# Altium PCB HealthSensors.PcbDoc (continued)
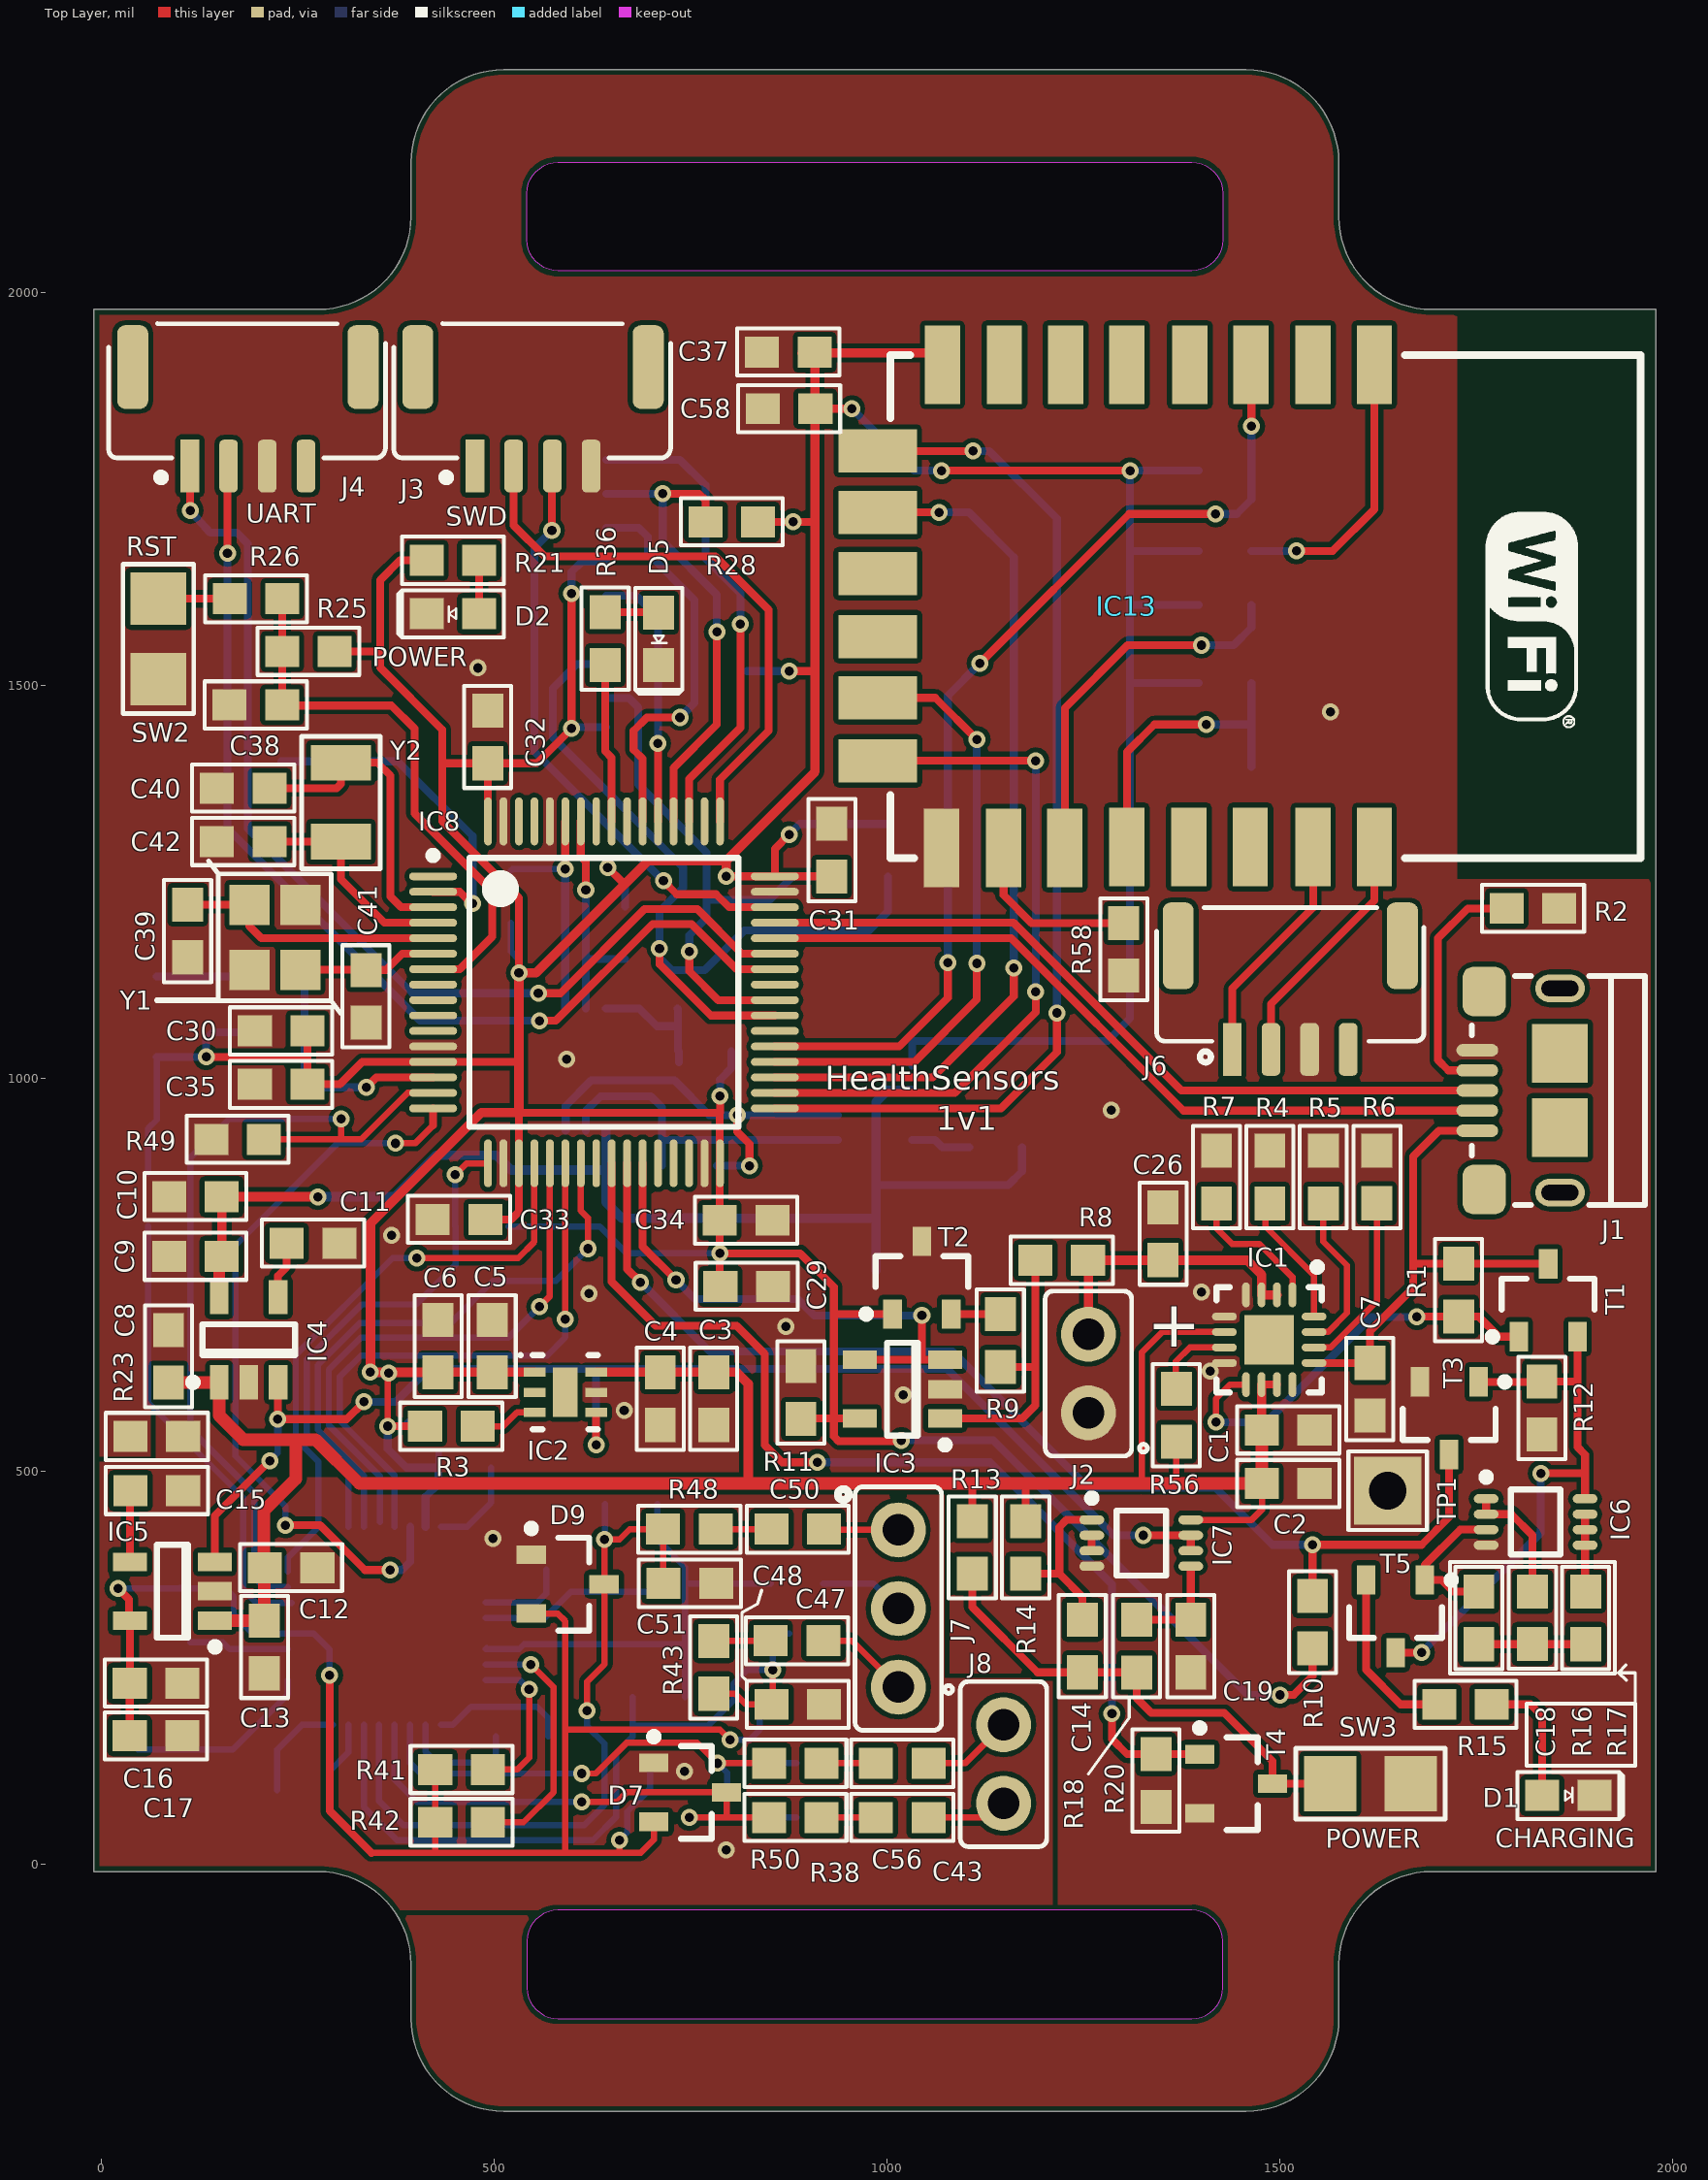
[diagram p0: Top Layer view]
## Footprints (in the part's own frame and the unit in brackets; to place one, negate y for a bottom-side part, rotate by r counter-clockwise, add the part's x,y. Pads: shape width x height; smd on the part's side, far side on the other; paste and mask are expansions set on the pad) (continued)
  oval 0.3x1.4 smd: 9(-1.75,-3.2) 10(-1.25,-3.2) 11(-0.75,-3.2) 12(-0.25,-3.2) 13(0.25,-3.2) 14(0.75,-3.2) 15(1.25,-3.2) 16(1.75,-3.2) 25(1.75,3.2) 26(1.25,3.2) 27(0.75,3.2) 28(0.25,3.2) 29(-0.25,3.2) 30(-0.75,3.2) 31(-1.25,3.2) 32(-1.75,3.2)
  silkscreen extent -3.32,-2.1 2.1,2.58, body extent -2.5,-2.5 2.5,2.5, height 1.2
TSSOP8 [mm] "TSSOP, 8-Leads, Body 2.00x2.30mm, Pitch 0.50mm, IPC Medium Density"
  oval 0.8x0.3 smd: 1(-1.6,0.75) 2(-1.6,0.25) 3(-1.6,-0.25) 4(-1.6,-0.75) 5(1.6,-0.75) 6(1.6,-0.25) 7(1.6,0.25) 8(1.6,0.75)
  silkscreen extent -1.72,-1.05 0.8,1.57, body extent -1.2,-1.05 1.2,1.05, height 0.9
"WSON 6" [mm] "SON, 6-Leads, Body 2.00x2.00mm, Pitch 0.65mm, Thermal Pad 1.60x0.89mm, IPC Medium Density"
  rect 0.7x0.3 smd: 1(-0.995,0.65) 2(-0.995,0) 3(-0.995,-0.65) 4(0.995,-0.65) 5(0.995,0) 6(0.995,0.65)
  rect 0.8x1.6 smd: 7(0,0)
  silkscreen extent -1.5,-1.2 1.05,1.25, body extent -1.05,-1.05 1.05,1.05, height 0.8

## Part data
C1 C2 C3 C4 C5 C6 C7 C8 C9 C10 C11 C12 C13 C14 C15 C16 C17 C18 C19 C20 C21 C22 C23 C24 C25 C26 C27 C28 C29 C30 C31 C32 C33 C34 C35 C36 C37 C38 C39 C40 C41 C42 C43 C44 C45 C46 C47 C48 C49 C50 C51 C52 C53 C54 C55 C56 C57 C58 C59: library part Capacitor, "SMT Capacitor"
D1 D2 D5: library part LED, "Chip LED"
D7 D8 D9 D10: "Schottky barrier diodes"
IC1: library part "TI BQ24232", "USB Friendly 0.5A Li+ Charger w/ Dynamic Power Management"
IC2: library part "TI LP5912-3.3V", "50 mA, 3 V TO 50 V, MICROPOWER, LOW-DROPOUT LINEAR REGULATOR"
IC3: "Op amp"
IC4: library part "TI TPS799", "TPS799 200-mA, Low-Quiescent Current, Ultralow Noise, High-PSRR Low-Dropout Linear  Regulator"
IC5: library part "TI TPS79133DBVREP", "ULTRALOW NOISE, HIGH PSRR, FAST RF, 100-mA  LOW-DROPOUT LINEAR REGULATORS"
IC6 IC7: "Dual 2-Input NAND Gate With Schmitt-Trigger Inputs"
IC8: "STM32 ARM-based 32-bit MCU with 32 Kbytes Flash, 64-pin LQFP", Package=LQFP64, ComponentLink1Description=http://www.st.com/content/ccc/resource/technical/document/datasheet/ee/d5/84/2b/a9/ae/44/3d/DM00039232.pdf/files/DM00039232.pdf/jcr:content/translations/en.DM00039232.pdf, ComponentLink1URL=http://www.st.com/stonline/products/literature/ds/13586.pdf
IC9: "Pulse Oximeter and Heart-Rate Sensor"
IC10: library part ADS1292IRSMT, "ADS1292IRSMT Analog Front End - AFE Cmplt Lw Pwr Intgrtd AFE for ECG apps", Manufacture="Texas Instruments", Operating Supply Curren="750 uA", Operating Supply Voltage="1.7 V to 3.6 V, 2.7 V to 5.25 V", Package/Cas=VQFN-32, Supply Voltage - Min - Max="2.7V - 5.25V", DatasheetURL=http://www.ti.com/lit/ds/symlink/ads1292.pdf, Product Category="Analog Front End - AFE", Series=ADS1292, SNR - Signal to Noise Ratio="107 dB", StoreURL=http://pl.mouser.com/Search/ProductDetail.aspx?R=ADS1292IRSMTvirtualkey59500000virtualkey595-ADS1292IRSMT
IC11: "Dual Bidirectional I2C Bus and SMBus Voltage-Level Translator"
IC13: library part ESP-12E, "Wifi module, esp12-e, based on ESP8266 chip"
J1: library part "USB 2.0 Type B Micro", "Micro usb"
J2: "2 pin header, male"
J3 J4: "Zlacze GH, meskie, poziome, 4 piny, SMD"
J5: library part "Hirose DM3 MicroSD", "Micro sd card slot"
J6: "Zlacze GH, meskie, proste, 4 piny, SMD"
J7: "3 pin header, male"
J8: library part "2 Pin", "2 pin header, male"
R1 R2 R3 R4 R5 R6 R7 R8 R9 R10 R11 R12 R13 R14 R15 R16 R17 R18 R19 R20 R21 R22 R23 R24 R25 R26 R27 R28 R29 R30 R31 R32 R33 R34 R35 R36 R37 R38 R39 R40 R41 R42 R43 R44 R45 R46 R47 R48 R49 R50 R51 R52 R53 R54 R56 R57 R58: library part Resistor, "SMDResistor"
SW1 SW2 SW3: library part "BUTTON-NO 2 PIN Small", "Button, SMD, Small, 2.5x3mm"
T1: library part P-MOSFET, "Unipolar transistor P-MOSFET"
T2 T3 T4 T5: library part N-MOSFET, "Unipolar transistor N-MOSFET"
Y1: library part "Resonator (4pin)", "Resonator"
Y2: library part Resonator, "Resonator"

## Via types
v1: diameter 21.65, hole 11.81, Top Layer to Bottom Layer, 105 vias

## Nets (pads, with @x,y where several pads share a name; then routed paths per layer and width w, separated by ;. In a path a pad name is that pad's centre, name@x,y a point inside that pad or via, vN(x,y) a via of type N, cw(c..) or ccw(c..) an arc to the next point about the centre after c; other vN are vias at no path point)
AGND: C12.1 C13.1 C15.1 C16.1 C17.1 C20.1 C21.1 C46.1 C48.1 C51.1 C52.1 C53.1 C54.1 C55.1 C57.1 D7.1 D8.1 D9.1 D10.1 IC5.2 IC10.10 IC10.13 R23.1
  other v1: 795,18 742,118 498,414
AVCC: C16.2 C17.2 C20.2 C21.2 D7.2 D8.2 D9.2 D10.2 IC5.5 IC10.12 R41.2 R42.2 | length 2043.6
  Top Layer w8: 343.3,14 424.53,14 ; R41.2 R42.2 424.53,14 ; D9.2 580.4,318.6 590.17,308.83 590.17,171 ; v1(659,30) 659,14 ; D7.2 702.74,30.74 686,14 659,14 ; v1(800,158) 787,171 590.17,171 ; 424.53,14 589.35,14 ; 589.35,14 659,14 ; 589.35,14 590.17,14.83 590.17,171
  Top Layer w10: v1(20.77,350.77) 34.87,336.68 IC5.5@34.87,309.6 ; C17.2 C16.2 35.87,230.34 IC5.5 ; v1(290,240) 290,67.3 343.3,14
  Bottom Layer w8: v1(20.77,350.77) C21.2 100.13,350.77 ; 99.9,351 100.13,350.77 ; v1(290,240) 290,273 269.84,293.16 IC10.12 191.84,293.16 168,317 168,340 157.23,350.77 C20.2 100.13,350.77 ; v1(659,30) 669.04,40.04 669.04,66.55 697.74,95.25 D10.2@697.74,125.4 ; v1(800,158) 825,158 837.6,170.6 D8.2
BAT_CHG: IC8.26 R10.1 T3.3 | length 1485.5
  Top Layer w10: IC8.26 668.83,757.17 v1(685.8,740.2) ; R10.1 v1(1541.3,406.15) 1680.15,406.15 1715.3,441.3 T3.3
  Bottom Layer w10: v1(685.8,740.2) 774,652 1083,652 1256,479 1417.45,479 1490.3,406.15 v1(1541.3,406.15)
BAT_LVL: IC3.3 IC3.4 IC8.27 | length 662.5
  Top Layer w10: IC8.27 688.51,785.64 v1(731,743.15) ; IC3.4 1044,641.55 ; v1(1044,698) 1044,641.55 ; IC3.3 1044,641.55
  Bottom Layer w10: v1(731,743.15) 755.15,719 886,719 907,698 v1(1044,698)
DVCC: C9.2 C10.2 C27.2 C28.2 IC4.5 IC9.11 IC11.2 R51.2 R52.2 R53.2 | length 1595.7
  Top Layer w10: C9.2@149.6,769.98 C9.2 ; C10.2@152.77,849 C10.2
  Top Layer w12: C9.2 152.77,849 v1(275,849)
  Top Layer w15: IC4.5 C9.2@149.6,769.98
  Bottom Layer w10: R53.2 R53.2@713.47,822 ; C28.2@985.06,821.53 C28.2 ; 985.53,864 1154,864 1171.47,881.47 R51.2
  Bottom Layer w12: v1(275,849) 373,849 426,902 502,902 521,883 641,883 ; IC11.2 641.8,842.2 662.47,821.53 R53.2 ; R53.2@713.47,822 R52.2@797.3,822 ; R52.2 C28.2@985.06,821.53 ; C27.2 C28.2 985.53,864 985.53,969.53 1000.25,984.25 IC9.11
GND: C1.1 C2.1 C3.1 C4.1 C5.1 C6.1 C7.1 C8.1 C9.1 C10.1 C11.1 C19.1 C22.1 C23.1 C24.1 C25.1 C26.1 C27.1 C28.1 C29.1 C30.1 C31.1 C32.1 C33.1 C34.1 C35.1 C37.1 C38.1 C39.1 C40.1 C41.1 C42.1 C58.1 C59.1 D1.2 D2.2 D5.2 IC1.4 IC1.5 IC1.8 IC2.5 IC3.2 IC4.2 IC6.4 IC7.4 IC8.12 IC8.18 IC8.31 IC8.47 IC8.60 IC8.63 IC9.4 IC9.12 IC10.24 IC11.1 IC13.15 J1.5 J2.1 J3.4 J4.3 J5.6 J5.S J6.3 R2.1 R4.1 R5.1 R6.1 R7.1 R11.1 R12.1 R19.1 R20.1 R23.2 R27.1 R49.1 R58.1 SW2.2 SW3.2 T2.3 T3.2 T4.2 TP1.1 Y1.2 Y1.4 | length 121
  Bottom Layer w8: IC10.24 464.98,428.98 495.59,459.59 C22.1
  other v1: 665,577 1020,597 1411,627 871,684 620,726 1400,728 369,800 1285,959 592,1024 1564,1466 479,1522
NetC1_2: C1.2 C2.2 C3.2 C4.2 C8.2 C12.2 C13.2 IC1.6 IC1.10 IC1.11 IC2.6 IC4.1 IC5.1 IC7.8 R13.2 R14.2 R56.2 | length 2817.9
  Top Layer w8: 551.18,484.15 551.95,484.92 ; 1324,484.15 1324,651 1349.83,676.83 IC1.6 ; 1368,485.15 R56.2 ; IC7.8 1463.83,437.83 1476.83,450.83 C2.2
  Top Layer w10: IC4.1@149.26,612.53 IC4.1 ; C13.2@206.87,309.6 C13.2 ; C12.2@207,376.47 C12.2 ; 491.3,481.45 494,484.15 ; R13.2 1108.15,483.3 1109,484.15 ; 1176,484.15 1176.15,484 R14.2 ; 1368,485.15 1369,484.15 ; C1.2@1476.37,552.61 C1.2 ; IC1.10 IC1.11
  Top Layer w12: IC2.6 808.26,625.74 823,611 823,484.15 ; C1.2@1476.37,552.61 IC1.10
  Top Layer w16: C8.2 IC4.1@149.26,612.53 ; IC5.1 C13.2@206.87,309.6 ; IC4.1 149.6,570.4 180,540 247,540 ; C12.2@206.53,377 206.53,449.53 247,490 247,540 ; C13.2 C12.2@207,376.47 ; 1322,484.15 1176,484.15 1109,484.15 823,484.15 551.18,484.15 494,484.15 327.85,484.15 272,540 247,540 ; 1324,484.15 1369,484.15 C2.2 C1.2
NetC7_2: C7.2 IC1.13 J1.1 R1.2 T1.3 | length 613.2
  Top Layer w10: IC1.13@1553.86,637.54 1614.22,637.54 C7.2 1614.3,678.15 1669.3,733.15 1669.3,763.62 ; J1.1 1702.22,933.07 1669.3,900.15 1669.3,763.62 ; T1.3 1841.09,763.62 R1.2 1669.3,763.62
NetC11_2: C11.2 IC4.4 | length 73.5
  Top Layer w10: IC4.4 224.4,748.4 235.53,759.53 C11.2
NetC14_1: C14.1 R13.1 R18.2 SW3.1 T4.3 | length 627.3
  Top Layer w10: R13.1 1108.15,326.85 1191.31,243.69 C14.1 R18.2 1317.29,210.71 1336,192 1429,192 1490.26,130.74 T4.3 SW3.1
NetC14_2: C14.2 IC7.1 R14.1 | length 218.9
  Top Layer w10: R14.1 1219,369.24 ; C14.2@1247.83,310.15 C14.2 1248.3,339.94 1219,369.24 ; IC7.1 1227.98,437.83 1219,428.85 1219,369.24
NetC15_2: C15.2 IC5.4 | length 90.9
  Top Layer w10: IC5.4 35.87,474.34 C15.2
NetC18_1: C18.1 R16.1 R17.1 | length 136
  Top Layer w10: C18.1 R17.1
NetC18_2: C18.2 IC6.3 T5.1 | length 190.4
  Top Layer w10: C18.2 1720.53,346.47 1705.74,361.26 T5.1 1684.4,380.4 1729.31,425.31 IC6.3
NetC19_2: C19.2 IC7.5 R18.1 | length 137.2
  Top Layer w10: R18.1 C19.2 IC7.5
NetC26_2: C26.2 IC1.2 IC1.3 J2.2 R8.2 | length 368.2
  Top Layer w12: R8.2 R8.2@1256,768.15 ; J2.2 R8.2@1256,768.15 ; IC1.2 IC1.3 1476.37,750.08 1458.3,768.15 R8.2@1256,768.15
NetC36_1: C36.1 IC8.14 R24.1 R27.2 | length 311.1
  Top Layer w10: v1(336.7,988.3) 349.28,1000.88 IC8.14
  Bottom Layer w10: R24.1 C36.1 258.31,989.29 R27.2 v1(336.7,988.3)
NetC38_2: C38.2 IC8.7 R25.1 R26.1 | length 714.7
  Top Layer w10: R26.1 229.76,1474.15 368.85,1474.15 398.3,1444.7 398.3,1336.7 497,1238 497,1179.85 455.83,1138.68 IC8.7
NetC39_2: C39.2 IC8.5 Y1.1 | length 345.8
  Top Layer w10: C39.2 109.43,1220.49 Y1.1 187.8,1193.65 203.3,1178.15 IC8.5@421.78,1178.15
NetC40_2: C40.2 IC8.3 Y2.2 | length 403.9
  Top Layer w10: C40.2 299,1369 304.3,1374.3 Y2.2 351.1,1401.35 367.3,1385.15 367.3,1231.15 381.03,1217.42 IC8.3
NetC41_2: C41.2 IC8.6 Y1.3 | length 177.6
  Top Layer w10: Y1.3 C41.2@336.3,1137.81 ; C41.2 361.77,1137.62 382.51,1158.36 IC8.6
NetC42_2: C42.2 IC8.4 Y2.1 | length 279.1
  Top Layer w10: C42.2 304.25,1301 Y2.1 304.3,1253.15 359.72,1197.73 IC8.4
NetC43_1: C43.1 J8.2 | length 102
  Top Layer w8: C43.1@1053.46,59 1130,59 J8.2
NetC43_2: C43.2 R38.1 | length 69.1
  Top Layer w8: R38.1 C43.2
NetC44_1: C44.1 IC10.1 | length 175.6
  Bottom Layer w8: IC10.1 447.02,177.02 470,200 554,200 568.46,185.54 C44.1
NetC44_2: C44.2 IC10.2 | length 157.3
  Bottom Layer w8: IC10.2 412.21,142.79 426,129 493,129 501.53,137.53 C44.2
NetC45_1: C45.1 IC10.7 | length 92.7
  Bottom Layer w8: C45.1 290.46,118.46 313.79,141.79 IC10.7
NetC45_2: C45.2 IC10.8 | length 135.1
  Bottom Layer w8: C45.2 223.53,145.53 255.02,177.02 IC10.8
NetC46_2: C46.2 D7.3 IC10.4 R38.2 | length 778.4
  Top Layer w8: v1(611,79) 656,79 668,91 D7.3 795.26,59 ; v1(748,59) 795.26,59 ; R38.2@848.53,60 847.53,59 795.26,59
  Bottom Layer w8: IC10.4 372.84,107.16 401,79 v1(611,79) ; v1(748,59) C46.2
NetC47_1: C47.1 J7.3 | length 120
  Top Layer w8: C47.1 955,284 J7.3
NetC47_2: C47.2 R43.1 | length 72.8
  Top Layer w8: R43.1 779.54,284 C47.2
NetC48_2: C48.2 D8.3 IC10.6 R43.2 R44.1 | length 1025.1
  Top Layer w8: R43.2 806.47,216.53 820,203 C48.2 852,203.53 854,205.53 v1(854,247)
  Bottom Layer w8: IC10.6 333.47,72.53 376,30 625,30 655,60 655,141 675.54,161.54 675.54,176 ; R44.1 675.54,176 ; D8.3 859.26,293.26 854,288 v1(854,247) 822,247 804,229 804,208 772,176 675.54,176
NetC49_1: C49.1 IC10.28 R46.1 | length 229.9
  Bottom Layer w8: IC10.28 563.84,312.84 597.46,346.46 R46.1 C49.1
NetC49_2: C49.2 IC10.30 R44.2 R45.2 R46.2 R47.2 | length 627.4
  Bottom Layer w8: IC10.30@490.13,274.61 IC10.30 531.47,273.47 537.53,279.53 R46.2 C49.2 742,279.53 742.47,280 ; R47.2 707.47,412.53 742.47,377.53 742.47,357 ; R44.2 742.47,280 ; R45.2 742.47,357 ; 742.47,280 742.47,357
NetC50_1: C50.1 J7.1 | length 95
  Top Layer w8: C50.1 920.46,425 J7.1
NetC50_2: C50.2 R48.1 | length 71.1
  Top Layer w8: R48.1 C50.2
NetC51_2: C51.2 D9.3 IC10.5 R47.1 R48.2 | length 958.1
  Top Layer w8: v1(618,195) 618,232 640,254 v1(640,413) 659,413 672,426 R48.2 714.53,357.54 C51.2
  Bottom Layer w8: IC10.5 353.16,79.84 384,49 614,49 640,75 640,153 618,175 v1(618,195) ; v1(640,413) 640.54,413.54 R47.1
NetC52_2: C52.2 IC10.11 | length 128.1
  Bottom Layer w8: C52.2 154,282 162.53,273.47 IC10.11
NetC53_2: C53.2 IC10.27 | length 112.3
  Bottom Layer w8: IC10.27 554.53,332.53 566,344 C53.2
NetC54_2: C54.2 C55.2 IC10.9 | length 238.5
  Bottom Layer w8: C55.2 C54.2 166.29,145.29 237.02,216.02 IC10.9
NetC56_1: C56.1 J8.1 | length 115.8
  Top Layer w8: C56.1 1099,128 J8.1
NetC56_2: C56.2 R50.1 | length 69.1
  Top Layer w8: R50.1 C56.2
NetC57_2: C57.2 D10.3 IC10.3 R50.2 | length 685.9
  Top Layer w8: v1(611,115) 629,115 668,154 758,154 v1(784,128) R50.2
  Bottom Layer w8: IC10.3 392.53,128.47 406,115 v1(611,115) ; D10.3@790.26,88 796,93.74 796,116 v1(784,128) C57.2
NetC59_2: C59.2 IC11.7 IC11.8 R32.1 | length 170.6
  Bottom Layer w10: IC11.7 IC11.8 684.24,1088.76 707,1066 733.53,1066 ; C59.2@732.77,1088.76 733.53,1088 733.53,1066 ; R32.1@734.54,1020 R32.1 733.53,1035.01 733.53,1066
NetD1_1: D1.1 R15.1 | length 171.6
  Top Layer w10: R15.1 1819,203 1833.54,188.46 D1.1
NetD2_1: D2.1 R21.1 | length 68
  Top Layer w10: D2.1 R21.1
NetD5_1: D5.1 R36.1 | length 68.3
  Top Layer w10: R36.1 708.7,1592.76 D5.1
NetIC1_1: IC1.1 R7.2 | length 176.7
  Top Layer w8: R7.2 1419,809 1438.85,789.15 1473.3,789.15 1515.74,746.71 IC1.1
NetIC1_7: IC1.7 R56.1 | length 90.1
  Top Layer w8: R56.1@1367.31,618.4 1367.31,639.31 1385.15,657.15 IC1.7
NetIC1_9: IC1.9 R1.1 T1.1 | length 527.8
  Top Layer w8: v1(1418.3,562.15) 1418.3,592.15 1436.06,609.91 IC1.9
  Top Layer w10: v1(1674.3,696.15) 1674.84,696.69 R1.1 1752.76,696.69 1778.56,670.89 T1.1
  Bottom Layer w10: v1(1418.3,562.15) 1482.3,562.15 1616.3,696.15 v1(1674.3,696.15)
NetIC1_14: IC1.14 R6.2 | length 228.9
  Top Layer w8: IC1.14 1564.14,657.15 1623.3,716.31 R6.2
NetIC1_15: IC1.15 R5.2 | length 204
  Top Layer w8: IC1.15 1560.98,676.83 1585.3,701.15 1585.3,761.7 1555,792 R5.2
NetIC1_16: IC1.16 R4.2 | length 169.8
  Top Layer w8: R4.2@1481.3,840.68 1481.3,811.15 1543.3,749.15 IC1.16
NetIC2_3: IC2.3 R3.1 | length 79.8
  Top Layer w8: R3.1 511,557 528.56,574.56 IC2.3
NetIC2_4: IC2.4 IC4.3 IC5.3 IC7.6 IC7.7 | length 1696
  Top Layer w10: IC5.3 144.13,443.13 v1(214,513) ; IC4.3 224,612.46 v1(224,566) 312,566 v1(334,588) ; v1(629.3,533.3) IC2.4 ; v1(1326,418.15) IC7.7 IC7.6
  Bottom Layer w8: v1(214,513) 224,523 224,536
  Bottom Layer w10: 224,536 v1(224,566) ; v1(334,588) 374,588 416,630 629,630 ; v1(629.3,533.3) 629.3,629.7 629,630 ; v1(1326,418.15) 1287.85,418.15 1076,630 629,630
NetIC3_1: IC3.1 R8.1 R9.2 | length 351.2
  Top Layer w10: IC3.1 1171.75,566.75 1188.54,583.54 1188.54,632.53 ; R9.2 1188.54,632.53 ; R8.1 1188.54,632.53
NetIC6_1: IC6.1 IC6.2 R16.2 | length 161.3
  Top Layer w10: IC6.1 IC6.2 1794.46,444.99 1821.3,418.15 R16.2
NetIC6_5: IC6.5 IC6.6 IC6.7 R17.2 | length 98.8
  Top Layer w10: IC6.7 IC6.6 IC6.5 1888.29,347.18 R17.2
NetIC6_8: IC6.8 R12.2 T1.2 T3.1 T5.3 | length 716.5
  Top Layer w10: T5.3 1679.74,268.74 v1(1680,269) ; T3.1 1833.09,613.41 R12.2 1878.17,613.62 ; v1(1832,497) 1887.29,497 1888.29,498 ; T1.2 1878.7,530.3 1888.29,520.71 1888.29,498 ; IC6.8 1888.29,498
  Bottom Layer w10: v1(1680,269) 1832,421 v1(1832,497)
NetIC7_2: IC7.2 IC7.3 | length 19.7
  Top Layer w10: IC7.3 IC7.2
NetIC8_2: IC8.2 J5.10 | length 425.2
  Top Layer w10: IC8.2 455.9,1237.1 471,1222 v1(472,1222)
  Bottom Layer w10: J5.10 376.87,1403.13 472,1308 v1(472,1222)
NetIC8_15: IC8.15 IC10.15 R49.2 | length 1094
  Top Layer w8: R49.2 305,922 ; v1(305,948) 305,922 ; IC8.15 389.35,981.2 330.15,922 305,922
  Bottom Layer w8: IC10.15 206.79,352.21 194,365 194,471.8 113,552.8 113,899 162,948 v1(305,948)
NetIC8_16: IC8.16 IC10.22 | length 950.3
  Top Layer w8: v1(374,917) 399,917 421.78,939.78
  Top Layer w10: v1(234,431) 278,431 335,374 v1(367,374) ; 421.78,939.78 IC8.16
  Bottom Layer w8: v1(234,431) 234,455 170,519 170,787 300,917 v1(374,917)
  Bottom Layer w10: v1(367,374) 382,374 392.53,384.53 IC10.22
NetIC8_17: IC8.17 IC10.18 R39.1 | length 636.8
  Top Layer w8: v1(450,877) 464.63,891.63 IC8.17
  Bottom Layer w8: IC10.18 313.79,493.82 261,546.6 261,642 331,712 400,712 450.54,762.54 R39.1 450,811.54 v1(450,877)
NetIC8_20: IC8.20 IC10.16 | length 767.3
  Top Layer w8: v1(401,771) 530,771 550.72,791.72 IC8.20
  Bottom Layer w8: IC10.16 237.02,390.02 276,429 276,511.8 247,540.8 247,647.8 370.2,771 v1(401,771)
NetIC8_21: IC8.21 IC10.20 | length 710.2
  Top Layer w8: v1(557,709) 570.4,722.4 IC8.21
  Bottom Layer w8: IC10.20@354.3,435.15 354.3,492.9 289,558.2 289,629 330,670 518,670 v1(557,709)
NetIC8_22: IC8.22 IC10.21 | length 749.3
  Top Layer w8: v1(590.09,693.09) IC8.22
  Bottom Layer w8: IC10.21 372.84,494.16 303,564 303,620 330,647 567,647 590.09,670.09 v1(590.09,693.09)
NetIC8_23: IC8.23 IC10.19 | length 747.9
  Top Layer w8: IC8.23 609.77,831.23 619,822 v1(619,783)
  Bottom Layer w8: IC10.19 333.47,493.93 275,552.4 275,634.8 328.2,688 444,688 498,742 578,742 v1(619,783)
NetIC8_33: IC8.33 IC13.9 | length 1332.8
  Top Layer w10: IC8.33 1144.51,961.51 1216,1033 v1(1216,1083) ; IC13.9@989,1797 IC13.9 v1(1109,1798)
  Bottom Layer w10: v1(1109,1798) 1130,1798 1216,1712 v1(1216,1083)
NetIC8_34: IC8.34 IC13.14 | length 895.8
  Top Layer w10: IC8.34 1086.2,981.2 1189,1084 v1(1189,1110) ; IC13.14 v1(1189,1404)
  Bottom Layer w10: v1(1189,1110) v1(1189,1404)
NetIC8_35: IC8.35 IC13.10 | length 1102.5
  Top Layer w10: IC8.35 1057.88,1000.88 1161,1104 v1(1161,1140) ; IC13.10 v1(1066,1720)
  Bottom Layer w10: v1(1066,1720) 1104,1720 1161,1663 v1(1161,1140)
NetIC8_36: IC8.36 IC13.13 | length 769
  Top Layer w10: IC8.36 1034.57,1020.57 1114,1100 v1(1114,1146) ; IC13.13 1061,1484 v1(1114,1431)
  Bottom Layer w10: v1(1114,1146) v1(1114,1431)
NetIC8_37: IC8.37 IC13.3 R22.1 | length 1292.3
  Top Layer w10: IC8.37 1015.25,1040.25 1077,1102 v1(1077,1147) ; v1(1118,1528) 1308,1718 v1(1418,1718) ; IC13.3 1463.46,1907.54 v1(1463.46,1829.54)
  Bottom Layer w10: v1(1077,1147) 1077,1487 v1(1118,1528) ; v1(1418,1718) 1445,1718 1463.46,1736.46 R22.1 v1(1463.46,1829.54)
NetIC8_39: IC8.39 J5.7 R31.2 | length 1072
  Top Layer w10: v1(710,1165) 710,1145 775.38,1079.62 IC8.39
  Bottom Layer w10: J5.7 605.14,1527.14 574.17,1496.17 574.17,1433.83 740,1268 740,1242.3 710,1212.3 v1(710,1165) 710,1153 725.83,1137.17 767.32,1137.17 818.15,1188 977,1188 1001,1212 R31.2
NetIC8_40: IC8.40 J5.8 R30.2 | length 722.2
  Top Layer w10: v1(748,1161) 748,1136 784.69,1099.31 IC8.40
  Bottom Layer w10: J5.8 671.17,1483.83 683,1472 683,1374 770,1287 770,1227 ; v1(748,1161) 748,1182 770,1204 770,1227 ; R30.2 879.53,1256.53 850,1227 770,1227
NetIC8_42: IC8.42 J4.2 | length 1334.2
  Top Layer w10: J4.2@159.74,1779.02 160,1778.76 v1(160,1668) ; v1(557,1073) 578,1073 701.15,1196.15 750.85,1196.15 808.32,1138.68 IC8.42
  Bottom Layer w10: v1(160,1668) 160,1318 405,1073 v1(557,1073)
NetIC8_43: IC8.43 J4.1 | length 1337.4
  Top Layer w10: v1(112.53,1722.47) J4.1@112.53,1780.02 ; v1(555.72,1108) 584,1108 691,1215 758,1215 814.64,1158.36 IC8.43
  Bottom Layer w10: v1(112.53,1722.47) 138,1694 172,1694 186,1680 186,1317.46 395.46,1108 v1(555.72,1108)
NetIC8_46: IC8.46 J3.3 | length 761
  Top Layer w10: v1(573,1697) 573,1778.4 J3.3 ; v1(715,1251) 732,1234 782,1234 798.58,1217.42 IC8.46
  Bottom Layer w10: v1(573,1697) 551,1675 551,1415 v1(715,1251)
NetIC8_49: IC8.49 J3.2 | length 739.6
  Top Layer w10: J3.2 524.39,1703.61 564,1664 781,1664 849,1596 849,1442 786.94,1379.94 IC8.49
NetIC8_51: IC8.51 J5.1 R29.2 | length 613.3
  Top Layer w10: IC8.51 747.57,1380.57 813,1446 v1(813,1578)
  Bottom Layer w10: J5.1 736.02,1786.98 768.53,1754.47 R29.2 768.53,1661.47 813,1617 v1(813,1578)
NetIC8_52: IC8.52 J5.2 R28.2 | length 625.7
  Top Layer w10: v1(714,1743.68) 760.32,1743.68 768.53,1735.47 R28.2 ; IC8.52 727.88,1394.88 783,1450 v1(783,1568)
  Bottom Layer w10: J5.2 v1(714,1743.68) 714,1684 783,1615 v1(783,1568)
NetIC8_53: IC8.53 J5.5 | length 336.8
  Top Layer w10: v1(708,1426) 708,1326.87 IC8.53
  Bottom Layer w10: J5.5 680.24,1613.76 708,1586 v1(708,1426)
NetIC8_54: IC8.54 J5.3 R33.2 | length 506.1
  Top Layer w10: IC8.54 688.51,1406.49 677,1418 677,1442 694,1459 v1(736,1459)
  Bottom Layer w10: J5.3 683.63,1700.37 695,1689 695,1668 754.53,1608.47 R33.2 754.53,1477.53 v1(736,1459)
NetIC8_56: IC8.56 R36.2 | length 202.6
  Top Layer w10: R36.2 640.85,1416.15 649.14,1407.86 IC8.56
NetIC8_58: IC8.58 IC11.6 R54.1 | length 290.6
  Top Layer w10: IC8.58 609.77,1282.23 616.2,1275.8 v1(616.2,1239.8)
  Bottom Layer w10: IC11.6 616.2,1152 ; v1(616.2,1239.8) 616.2,1152 ; R54.1 616.66,1151.54 616.2,1152
NetIC8_59: IC8.59 IC11.5 R35.1 | length 307.8
  Top Layer w10: v1(590,1266) 590,1326.58 IC8.59
  Bottom Layer w8: R35.1 522.54,1266 v1(590,1266) ; IC11.5@590,1089.37 IC11.5
  Bottom Layer w10: IC11.5@590,1089.37 v1(590,1266)
NetIC9_2: IC9.2 IC11.3 R53.1 | length 434.6
  Bottom Layer w10: IC11.3 616.2,958.2 635,977 699,977 713,963 713,923 ; R53.1 713,923 ; IC9.2 714.74,921.26 713,923
NetIC9_3: IC9.3 IC11.4 R52.1 | length 523
  Top Layer w10: v1(809,953) 809,932 824.5,916.5 v1(824.5,888.5)
  Bottom Layer w10: IC11.4 590.61,964.61 623,997 729,997 773.24,952.76 v1@810,952.76 ; R52.1 783.04,888.5 v1(824.5,888.5) ; v1(809,953) 809.76,953 v1@810,952.76 ; IC9.3 v1@810,952.76
NetIC9_13: IC9.13 R51.1 | length 76.9
  Bottom Layer w10: IC9.13 1060.74,921.26 1070,912 R51.1
NetIC10_14: IC10.14 R40.1 | length 582.2
  Bottom Layer w8: R40.1 59,587 180,466 180,349 197,332 IC10.14@242,332
NetIC10_31: IC10.31 R42.1 | length 331.2
  Top Layer w8: R42.1 537,53 575,91 575,225 v1(546.21,253.79)
  Bottom Layer w8: IC10.31 v1(546.21,253.79)
NetIC10_32: IC10.32 R41.1 | length 205.8
  Top Layer w8: R41.1 529,120 544,135 v1(544,222)
  Bottom Layer w8: IC10.32 531.9,234.1 v1(544,222)
NetIC13_1: IC13.1 R37.1 | length 362.5
  Top Layer w10: v1(1521,1671) 1567,1671 1620,1724 IC13.1
  Bottom Layer w10: R37.1 v1(1521,1671)
NetIC13_16: IC13.16 R58.2 | length 227.7
  Top Layer w10: IC13.16 1148,1233 1183.53,1197.47 R58.2
NetIC13_17: IC13.17 R34.1 | length 486.4
  Top Layer w10: IC13.17 1226,1471 1306,1551 v1(1400,1551)
  Bottom Layer w10: v1(1400,1551) 1441,1551 1463.46,1573.46 R34.1
NetIC13_18: IC13.18 R19.2 R57.1 | length 401
  Top Layer w10: IC13.18 1305,1415 1340,1450 v1(1406,1450)
  Bottom Layer w10: v1(1406,1450) 1463.46,1450 ; R19.2 1463.46,1450 ; R57.1 1463.46,1450
NetIC13_21: IC13.21 J6.1 | length 300.1
  Top Layer w10: J6.1 1439.18,1114.18 1542,1217 IC13.21
NetIC13_22: IC13.22 J6.2 | length 312
  Top Layer w10: J6.2 1488.39,1094.39 1620,1226 IC13.22
NetJ1_4: J1.4 R2.2 | length 313.7
  Top Layer w10: J1.4 1714.16,1009.84 1701,1023 1701,1178 1739,1216 R2.2
NetJ7_2: J7.2 R45.1 | length 108.8
  Bottom Layer w8: R45.1 982,357 J7.2
NetR9_1: R9.1 T2.2 | length 62.7
  Top Layer w10: T2.2 1143.72,699.74 R9.1
NetR15_2: R15.2 T5.2 | length 225.5
  Top Layer w10: T5.2 1609.53,361.19 1609.53,247 1653.53,203 R15.2
NetR24_2: R24.2 SW1.2 | length 121.4
  Bottom Layer w10: SW1.2 191.26,1129.18 R24.2
NetR26_2: R26.2 SW2.1 | length 91.1
  Top Layer w10: SW2.1 R26.2 R26.2@162.65,1610.33
PWR_SD: IC8.25 R20.2 T4.1 | length 1331.9
  Top Layer w10: IC8.25 649.14,740.86 705,685 808,685 844,649 844,533 866,511 v1(911,511) ; v1(1286,191) 1286,159 1305.53,139.47 R20.2 T4.1 T4.1
  Bottom Layer w10: v1(911,511) 1131,511 1286,356 v1(1286,191)
USB_DM: IC8.44 J1.2 | length 985
  Top Layer w10: IC8.44 1157.7,1178.05 1377.08,958.66 J1.2
USB_DP: IC8.45 J1.3 | length 982.6
  Top Layer w10: IC8.45 1160.64,1197.73 1374.12,984.25 J1.3
VCC: C5.2 C6.2 C22.2 C23.2 C24.2 C25.2 C29.2 C30.2 C31.2 C32.2 C33.2 C34.2 C35.2 C36.2 C37.2 C58.2 IC2.1 IC3.5 IC8.13 IC8.19 IC8.32 IC8.48 IC8.64 IC9.9 IC9.10 IC10.23 IC13.8 J5.4 J5.9 R3.2 R10.2 R11.2 R21.2 R22.2 R25.2 R28.1 R29.1 R30.1 R31.1 R32.2 R33.1 R34.2 R35.2 R37.2 R39.2 R40.2 R54.2 R57.2 SW1.1 T2.1 | length 9295.2
  Top Layer w8: v1(364,557) v1@364,623.53 ; v1(365,624.53) v1@366,625.53 ; C6.2@429,617.53 C6.2@429.21,617.74
  Top Layer w10: v1(133,1027) 261.77,1027 ; C30.2 261.77,1027 ; R25.2 354.33,1543 ; 341,704.15 342,704.15 ; v1(364,557) R3.2 ; R21.2 379.47,1659 354.33,1633.86 354.33,1543 ; C33.2 521.3,820.15 531.03,829.88 IC8.19 531.03,956 786.83,956 ; IC8.64 491.3,1327.03 C32.2 ; 531.03,1020.57 IC8.13 331.72,1020.57 303.3,992.15 C35.2 261.77,1027 ; 531.03,1056 532.03,1057 ; v1@531.03,1135 531.03,1229.42 433.68,1326.78 433.68,1400.68 ; v1(598,1617) v1(598,1445) 553.68,1400.68 C32.2 ; v1(644,1268) 663,1249 668,1249 ; C29.2@786.83,735 v1(786.83,777) ; v1(787,977) 787,956.17 786.83,956 ; v1(795,1256.79) IC8.48 ; R28.1 v1(880,1708) 907,1708 908,1707 ; v1(875,1310) 856.82,1291.82 IC8.48 ; v1(875,1518) 908,1518 ; R11.2 890.22,566.75 932,566.75 ; C58.2@908,1852 C58.2 v1(955,1852) ; C31.2 929.19,1256.79 IC8.48 ; IC3.5@960.3,566.75 932,566.75 ; T2.1@1006.3,699.89 932,699.89 ; v1(1018,539) 1017,538 938,538 932,544 932,566.75 ; v1(1069,1773) v1(1309,1773) ; v1(1500,215) 1517.3,215 1541.3,239 R10.2 ; 354.33,1543 354.33,1522.67 433.68,1443.32 433.68,1400.68 ; 433.68,1400.68 C32.2 ; v1(786.83,777) C34.2 786.83,956 ; v1(786.83,777) 889,777 932,734 932,699.89 ; 932,566.75 932,699.89
  Top Layer w12: v1@364,623.53 v1(365,624.53) ; C6.2 366,625.53 342.47,625.53 v1(342,626) 342,704.15 342,815 483,956 531.03,956 531.03,1020.57 531.03,1056 v1(531.03,1134) 553,1134 668,1249 696,1277 795,1277 ; C6.2@428.21,625.74 IC2.1 ; v1(795,1256.79) 795,1277 ; IC13.8 1055,1923 891.47,1923 908,1906.47 908,1852 908,1707 908,1518 908,1390 795,1277
  Bottom Layer w8: R40.2 59,936 70,947 SW1.1 ; v1(342,626) v1@343.47,624.53 ; C22.2 C22.2@428.66,523.24 ; R39.2 634,811 668,777 v1(786.83,777) ; R35.2 521,1161 531.03,1150.97 v1(531.03,1134)
  Bottom Layer w10: SW1.1 132.82,1026.82 v1(133,1027) 133,1050 141.3,1058.3 C36.2 ; IC10.23 412.21,467.21 428.66,483.66 C22.2 387.76,504.24 364,528 v1(364,557) 386,557 400.24,571.24 C23.2 ; v1(598,1445) 599.43,1446.43 J5.9 ; v1(598,1617) 598,1644 611.06,1657.06 J5.4 ; v1(644,1268) 666,1246 R54.2 ; v1(787,977) 787,997.66 786.83,997.83 801.47,1012.47 R32.2 ; R33.1 v1(875,1518) ; R29.1 v1(880,1708) ; v1(875,1310) 888.46,1323.46 R30.1 R31.1 ; v1(955,1852) 1034,1773 v1(1069,1773) ; v1(1018,539) 1135,539 1459,215 v1(1500,215) ; IC9.10 IC9.9 1101.77,1047.24 C25.2 C24.2 1280.47,1047.47 1309,1076 1309,1503 ; R57.2 1309,1503 ; R34.2 1310,1602 1309,1603 ; R37.2 1310,1671 1309,1670 ; R22.2 v1(1309,1773) 1309,1670 ; 1309,1503 1309,1603 ; 1309,1603 1309,1670
  Bottom Layer w12: v1@343.47,624.53 v1(365,624.53)
pads on no net: IC1.12 IC1.17 IC2.2 IC2.7 IC8.1 IC8.8 IC8.9 IC8.10 IC8.11 IC8.24 IC8.28 IC8.29 IC8.30 IC8.38 IC8.41 IC8.50 IC8.55 IC8.57 IC8.61 IC8.62 IC9.1 IC9.5 IC9.6 IC9.7 IC9.8 IC9.14 IC10.17 IC10.25 IC10.26 IC10.29 IC13.2 IC13.4 IC13.5 IC13.6 IC13.7 IC13.11 IC13.12 IC13.19 IC13.20 J1.S J3.1 J3.M1 J3.M2 J4.4 J4.M1 J4.M2 J6.4 J6.5 J6.6

## Polygon pours and split planes (outlines as drawn)
GND on Top Layer "TOP GND" (solid, pour order 13): -9.84,-9.84 275.59,-9.84 cw(c275.59,-127.95) 393.7,-127.95 393.7,-196.85 ccw(c511.81,-196.85) 511.81,-314.96 1456.69,-314.96 ccw(c1456.69,-196.85) 1574.8,-196.85 1574.8,-127.95 cw(c1692.91,-127.95) 1692.91,-9.84 1978.35,-9.84 1978.35,1978.35 1692.91,1978.35 cw(c1692.91,2096.46) 1574.8,2096.46 1574.8,2165.35 ccw(c1456.69,2165.35) 1456.69,2283.46 511.81,2283.46 ccw(c511.81,2165.35) 393.7,2165.35 393.7,2096.46 cw(c275.59,2096.46) 275.59,1978.35 -9.84,1978.35
AGND on Top Layer "TOP AGND" (solid, remove dead copper, pour order 9): -9.84,511.81 68.9,511.81 68.9,577.1 190.61,577.1 196.87,570.84 196.87,492.13 1072.83,492.13 1072.83,236.22 1210.63,236.22 1210.63,-59.06 374.02,-59.06 -9.84,-9.84
GND on Bottom Layer "BOTTOM GND" (solid, pour order 14): -9.84,-9.84 275.59,-9.84 cw(c275.59,-127.95) 393.7,-127.95 393.7,-196.85 ccw(c511.81,-196.85) 511.81,-314.96 1456.69,-314.96 ccw(c1456.69,-196.85) 1574.8,-196.85 1574.8,-127.95 cw(c1692.91,-127.95) 1692.91,-9.84 1978.35,-9.84 1978.35,1978.35 1692.91,1978.35 cw(c1692.91,2096.46) 1574.8,2096.46 1574.8,2165.35 ccw(c1456.69,2165.35) 1456.69,2283.46 511.81,2283.46 ccw(c511.81,2165.35) 393.7,2165.35 393.7,2096.46 cw(c275.59,2096.46) 275.59,1978.35 -9.84,1978.35
AGND on Bottom Layer "BOTTOM AGND" (solid, remove dead copper, pour order 11): -9.84,511.81 68.9,511.81 68.9,577.1 190.61,577.1 196.87,570.84 196.87,492.13 1072.83,492.13 1072.83,236.22 1210.63,236.22 1210.63,-59.06 374.02,-59.06 -9.84,-9.84

## Other copper
Top Layer:
  pour cut-out: 1969,1253 1725,1253 1725,1969 1969,1969
Bottom Layer:
  pour cut-out: 1969,1253 1725,1253 1725,1969 1969,1969

## Silkscreen, mask and mechanical layers (free items; w line width, h text height)
Top Overlay:
  lines w4: 821,233 815,239 815,307 815,320 834.88,330.77 840,348 ; 1256.02,114.53 1308,186 1308,210 ; 1940.15,252.86 1931,243 ; 1940.86,233.85 1931,243 ; 1952,204 1952,243 1931,243
  lines w5: 1716.3,242 1926,242 1926,384.15 1716.3,384.15 1716.3,242 ; 1814,125 1814,204 1952,204 1952,125 1814,125
  lines w7: 70.3,1099.15 147,1099
  text "UART" at 184,1707 h24
  text "SWD" at 438,1703 h24
  text "RST" at 31,1665 h24
  text "POWER" at 344,1524 h24
  text "HealthSensors" at 921,985 h30
  text "1v1" at 1062,934 h30
  text "+" at 1331,658 h60
  text "CHARGING" at 1774,21 h24
  text "POWER" at 1558,20 h24
Bottom Overlay:
  text "BOOT" at 114,948 h24
Mechanical 1:
  lines w10: 1574.8,-127.95 cw(c1692.91,-127.95) 1692.91,-9.84 1978.35,-9.84 1978.35,1978.35 1692.91,1978.35 cw(c1692.91,2096.46) 1574.8,2096.46 1574.8,2165.35 ccw(c1456.69,2165.35) 1456.69,2283.46 511.81,2283.46 ccw(c511.81,2165.35) 393.7,2165.35 393.7,2096.46 cw(c275.59,2096.46) 275.59,1978.35 -9.84,1978.35 -9.84,-9.84 275.59,-9.84 cw(c275.59,-127.95) 393.7,-127.95 393.7,-196.85 ccw(c511.81,-196.85) 511.81,-314.96 1456.69,-314.96 ccw(c1456.69,-196.85) 1574.8,-196.85 1574.8,-127.95 ; 1574.8,-127.95 1574.8,-127.95 ; 541.34,-157.48 ccw(c580.71,-157.48) 580.71,-196.85 1387.8,-196.85 ccw(c1387.8,-157.48) 1427.17,-157.48 1427.17,-98.43 ccw(c1387.8,-98.43) 1387.8,-59.05 580.71,-59.06 ccw(c580.71,-98.43) 541.34,-98.43 541.34,-157.48 ; 541.34,2066.93 ccw(c580.71,2066.93) 580.71,2027.56 1387.8,2027.56 ccw(c1387.8,2066.93) 1427.17,2066.93 1427.17,2125.98 ccw(c1387.8,2125.98) 1387.8,2165.35 580.71,2165.35 ccw(c580.71,2125.98) 541.34,2125.98 541.34,2066.93

## Text inside footprints (layer, text, board x,y; h text height)
IC13: Mechanical 13 "ANTENNA AREA" at 1934.59,1907.96 h10 r270; Mechanical 13 "CUTOUT POLYGON" at 1914.59,1907.96 h10 r270